# Altium PCB RF-BIG-DB5AT_v1.pcbdoc (part 2 of 7)
Units mm, origin at the board's own origin, x right, y up, seen from the top; angles counter-clockwise.
Board outline 281 x 128.57 mm, 2 copper layers (Top Layer, Bottom Layer), stack 1.671 mm thick; 500 components, 260 nets, 1552 pads, 9606 vias.
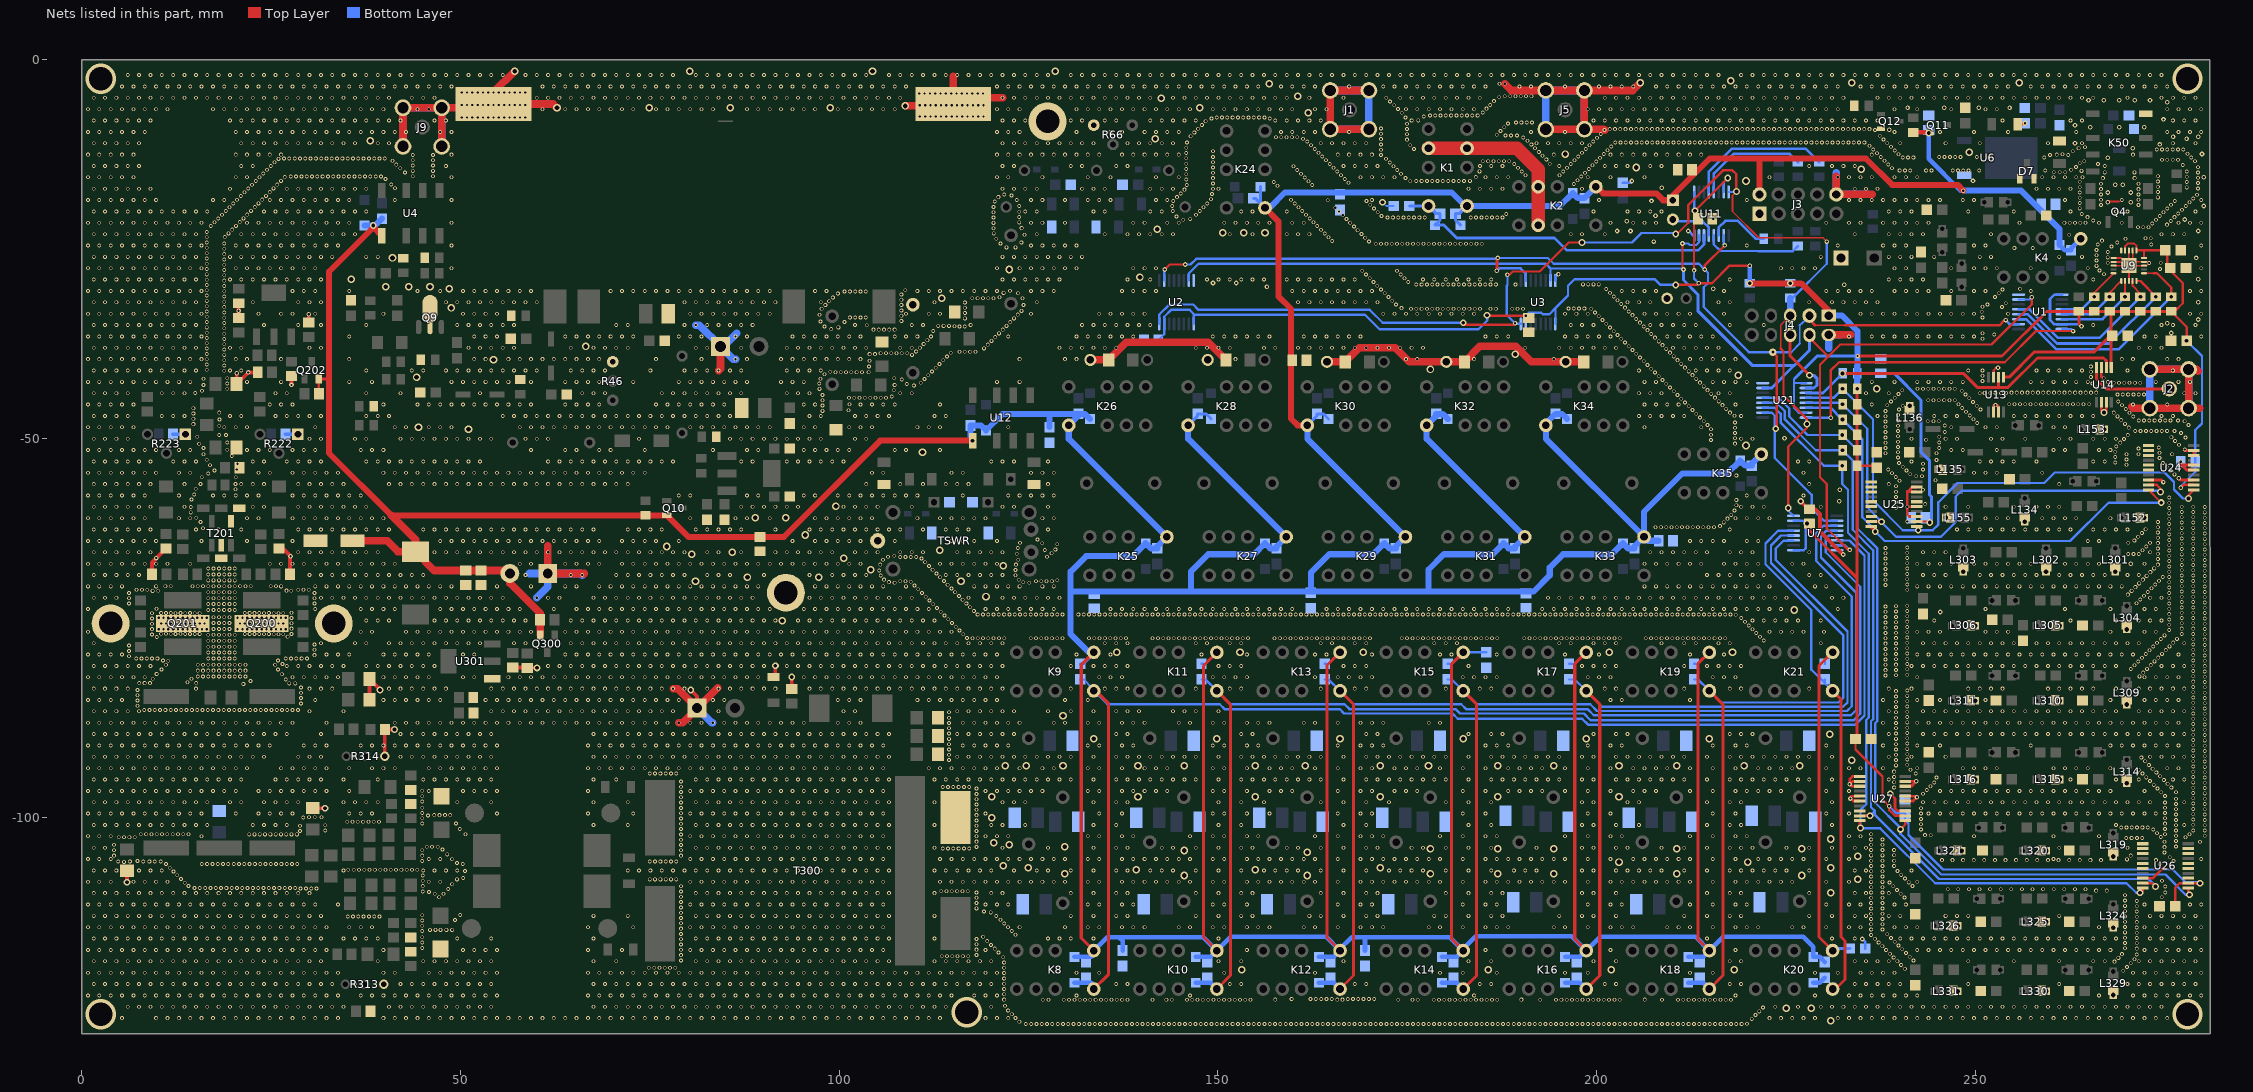
[diagram p2: the nets of this part, all layers, seen from the top]

## Via types
v1: diameter 0.5, hole 0.3, Top Layer to Bottom Layer, tented both sides, 9171 vias
v2: diameter 1, hole 0.61, Top Layer to Bottom Layer, 141 vias
v3: diameter 0.9, hole 0.5, Top Layer to Bottom Layer, 84 vias
v4: diameter 0.61, hole 0.305, Top Layer to Bottom Layer, 83 vias
v5: diameter 0.5, hole 0.3, Top Layer to Bottom Layer, tented bottom, 64 vias
v6: diameter 0.6, hole 0.3, Top Layer to Bottom Layer, 43 vias
v7: diameter 4, hole 3.1, Top Layer to Bottom Layer, 6 vias
v8: diameter 0.7, hole 0.3, Top Layer to Bottom Layer, 4 vias
v9: diameter 0.61, hole 0.306, Top Layer to Bottom Layer, 3 vias
v10: diameter 0.5, hole 0.305, Top Layer to Bottom Layer, 2 vias
v11: diameter 2, hole 1, Top Layer to Bottom Layer, 2 vias
v12: diameter 0.5, hole 0.3, Top Layer to Bottom Layer, 1 vias
v13: diameter 5, hole 3.1, Top Layer to Bottom Layer, 1 vias
v14: diameter 1, hole 0.4, Top Layer to Bottom Layer, 1 vias

## Nets (pads, with @x,y where several pads share a name; then routed paths per layer and width w, separated by ;. In a path a pad name is that pad's centre, name@x,y a point inside that pad or via, vN(x,y) a via of type N, cw(c..) or ccw(c..) an arc to the next point about the centre after c; other vN are vias at no path point)
+3V3: C21.2 C26.2 C31.2 C36.2 C38.2 C42.2 C47.2 C48.2 C131.1 C132.1 C241.1 C301.1 C302.1 C303.1 C304.1 J4.1 R13.1 R31.1 R33.1 R35.1 R57.1 R69.1 R70.1 R71.1 R72.1 R201.1 R202.1 R203.1 R204.1 R205.1 R206.1 R207.1 U1.1 U1.7 U2.1 U2.7 U3.1 U3.7 U7.1 U7.7 U9.5 U9.6 U9.9 U11.1 U11.7 U13.1 U14.1 U21.1 U21.7 U24.2 U25.2 U26.2 U27.2 | length 441.3
  Top Layer w0.25: U9.9@269.756,-25.178 269.756,-24.59 270.089,-24.257 270.966,-24.257 271.271,-24.562 271.271,-25.144 U9.6@271.298,-25.171 ; U9.5@272.256,-26.178 272.256,-25.305 272.415,-25.146
  Top Layer w0.305: v3(185.537,-33.74) 185.579,-33.782 v6(190.652,-33.782) ; v3(210.439,-29.718) 213.283,-29.718 v6(213.487,-29.514) 215.215,-29.514 217.551,-27.178 v4(220.218,-27.178) ; v6(212.852,-27.813) 212.852,-20.066 v3(212.979,-19.939) v3(217.297,-15.621) ; C304.1@234.174,-89.916 234.174,-91.045 237.744,-94.615 237.744,-97.663 v6(238.633,-98.552) 238.633,-99.06 239.385,-99.812 U27.2@240.745,-99.811 ; R205.1@234.392,-53.594 236.714,-53.594 C302.1@236.982,-53.862 ; U25.2@242.269,-60.949 243.822,-60.949 v3(243.96,-61.087) ; U9.6@271.298,-25.171 271.298,-25.146 272.415,-25.146 C131.1@275.068,-25.146 ; C131.1@275.068,-25.146 275.339,-25.146 275.339,-27.438 277.368,-29.467 277.368,-32.131 276.275,-33.224 R72.1@275.844,-33.224 277.89,-35.27 C301.1@277.89,-37.084 ; C303.1@276.366,-111.76 276.366,-109.322 276.987,-108.701 U26.2@278.083,-108.701 279.643,-108.701 v3(279.654,-108.712) ; v6(277.114,-56.515) 277.506,-56.123 U24.2@278.845,-56.123
  Top Layer w0.4: v3(227.762,-61.214) 227.762,-61.822 234.392,-68.453 ; C304.1@234.174,-89.916 234.392,-89.698 234.392,-68.453 ; v3(234.392,-43.434) R204.1@234.392,-45.466 R203.1@234.392,-47.498 R206.1@234.392,-49.53 R207.1@234.392,-51.562 R205.1@234.392,-53.594 234.392,-68.453 ; v4(234.442,-39.116) 253.521,-39.116 259.413,-33.224 R57.1@263.652,-33.224 ; U13.1@253.705,-41.896 254.453,-41.896 257.741,-38.608 265.641,-38.608 C241.1@267.929,-36.32 ; v6(264.007,-35.179) 263.652,-34.824 R57.1@263.652,-33.224 ; U14.1@267.929,-40.626 267.929,-33.437 R70.1@267.716,-33.224 ; R72.1@275.844,-33.224 R31.1@273.812,-33.224 R33.1@271.78,-33.224 R69.1@269.748,-33.224 R70.1@267.716,-33.224 ; R57.1@263.652,-33.224 R71.1@265.684,-33.224 R70.1@267.716,-33.224
  Top Layer w0.8: v3(220.218,-29.514) v3(225.552,-29.514) 226.999,-29.514 230.632,-33.147 J4.1@230.632,-33.782
  Bottom Layer w0.305: C21.2@142.12,-37.02 142.901,-36.239 U2.7@142.901,-34.87 142.901,-33.924 143.805,-33.02 146.264,-33.02 146.802,-33.558 ; U2.1@146.801,-34.87 146.802,-33.558 ; v3(185.537,-33.74) 185.537,-34.394 185.547,-34.404 184.359,-35.592 171.355,-35.592 169.418,-33.655 146.899,-33.655 146.802,-33.558 ; v6(190.652,-33.782) 191.033,-33.401 192.671,-33.401 192.869,-33.599 193.753,-33.599 194.564,-32.788 ; U3.1@194.553,-34.87 194.564,-33.528 194.564,-32.788 ; v3(210.439,-29.718) 208.407,-29.718 207.645,-28.956 197.104,-28.956 196.215,-29.845 196.215,-31.137 194.564,-32.788 ; v6(212.852,-27.813) 212.852,-28.879 v6(213.487,-29.514) ; U11.1@212.863,-17.454 212.863,-19.823 v3(212.979,-19.939) ; U11.7@216.763,-17.454 216.763,-16.155 v3(217.297,-15.621) ; U7.1@225.988,-64.759 227.34,-64.76 227.584,-64.516 v3@227.584,-61.214 ; U7.7@225.988,-60.859 227.202,-60.858 227.558,-61.214 v3@227.584,-61.214 ; 226.187,-42.037 226.06,-42.164 226.06,-42.683 ; U21.7@227.656,-46.583 226.695,-46.584 226.06,-45.949 226.06,-42.683 ; U21.1@227.656,-42.683 226.06,-42.683 ; v3(227.762,-61.214) v3@227.584,-61.214 ; v6(238.633,-98.552) 239.574,-99.493 240.695,-99.493 C38.2@240.736,-99.534 ; C38.2@240.695,-99.575 240.695,-100.36 241.173,-100.838 241.173,-102.362 245.707,-106.896 276.06,-106.896 277.749,-108.585 279.527,-108.585 v3(279.654,-108.712) ; v6(277.114,-56.515) 277.114,-56.307 279.019,-54.402 279.019,-48.895 279.908,-48.006 279.908,-39.116 v3(277.876,-37.084)
  Bottom Layer w0.35: U1.1@261.438,-30.999 260.451,-30.999 259.842,-31.608 259.842,-34.36 260.381,-34.899 U1.7@261.438,-34.899 263.727,-34.899 v6(264.007,-35.179)
  Bottom Layer w0.4: 226.187,-42.037 229.108,-39.116 v4@234.414,-39.116 ; R201.1@234.392,-41.402 234.403,-41.402 239.268,-41.402 242.824,-44.958 242.824,-51.816 243.96,-52.952 243.96,-57.464 244.221,-57.725 244.221,-60.826 v3(243.96,-61.087)
  Bottom Layer w0.61: v3(220.218,-29.514) v4(220.218,-27.178)
  Bottom Layer w0.8: J4.1@230.632,-33.782 232.4,-33.782 234.432,-35.814 234.414,-39.116 234.403,-41.402 v3(234.392,-43.434)
+12: C1.1 C7.1 C8.1 C9.1 C10.1 C11.1 C16.1 C49.2 C50.2 C51.2 C52.2 C53.2 C54.2 C55.2 C56.2 C107.1 C108.2 C109.2 C110.2 C123.2 C124.1 C141.1 C142.2 C143.1 C144.2 C145.1 C146.2 C147.1 C148.2 C149.1 C150.2 C151.1 C152.2 C153.1 C154.2 C157.2 C158.2 C159.2 C160.2 C161.2 C162.2 C163.2 C164.2 C165.2 C166.2 C167.2 C221.2 C223.2 C224.1 D4.1 D5.1 D8.1 D9.1 D13.1 D15.1 D17.1 D20.1 D22.1 D25.1 D27.1 D31.1 D32.1 D38.1 D39.1 D40.1 D41.1 D42.1 D43.1 D44.1 D45.1 D46.1 D47.1 D48.1 H1.1 J3.2 K1.1 K2.1 K4.1 K8.1 K9.1 K10.1 K11.1 K12.1 K13.1 K14.1 K15.1 K16.1 K17.1 K18.1 K19.1 K20.1 K21.1 K24.1 K25.1 K26.1 K27.1 K28.1 K29.1 K30.1 K31.1 K32.1 K33.1 K34.1 K35.1 L201.2 P200.2 Q10.2 Q11.2 Q202.2 Q300.2 R45.1 R48.2 R215.2 R308.2 U4.1 U12.1 | length 1116.8
  Top Layer w0.3: K9.1@133.731,-78.359 K9.1@133.858,-78.232 ; K10.1@149.352,-117.602 K10.1@149.86,-117.602
  Top Layer w0.35: R215.2@31.303,-44.069 Q202.2@31.303,-42.121
  Top Layer w0.4: Q202.2@31.303,-42.121 32.469,-42.121 32.639,-42.291 ; K8.1@133.604,-117.602 131.953,-115.951 131.953,-79.883 K9.1@133.604,-78.232 ; K10.1@149.86,-117.602 148.082,-115.824 148.082,-80.01 K11.1@149.86,-78.232 ; K12.1@166.116,-117.602 164.398,-115.884 164.398,-79.95 K13.1@166.116,-78.232 ; K14.1@182.372,-117.602 180.848,-116.078 180.848,-79.756 K15.1@182.372,-78.232 ; K16.1@198.628,-117.602 197.104,-116.078 197.104,-79.756 K17.1@198.628,-78.232 ; K18.1@214.884,-117.602 213.36,-116.078 213.36,-79.756 K19.1@214.884,-78.232 ; K20.1@231.14,-117.602 229.362,-115.824 229.362,-80.01 K21.1@231.14,-78.232
  Top Layer w0.61: R48.2@241.808,-9.602 Q11.2@243.84,-9.586
  Top Layer w0.8: v3@38.461,-22.147 32.639,-27.969 32.639,-42.291 32.639,-51.943 40.836,-60.14 75.827,-60.14 Q10.2@77.232,-60.132 80.091,-62.992 92.71,-62.992 105.41,-50.292 v3(117.602,-50.292) ; v3(38.481,-21.893) v3@38.598,-22.01 ; v3@38.53,-22.147 U4.1@39.624,-23.241 ; K24.1@156.21,-19.558 157.988,-21.336 157.988,-31.242 159.639,-32.893 159.639,-40.165 159.64,-40.166 159.64,-41.086 159.639,-41.087 159.639,-47.371 160.528,-48.26 K30.1@161.798,-48.26 ; K2.1@199.898,-16.764 199.939,-16.723 200.853,-17.637 207.874,-17.637 208.778,-18.542 H1.1@210.058,-18.542 210.058,-17.919 214.939,-13.038 221.488,-13.038 ; J3.2@221.488,-17.78 221.488,-13.038 ; v9(248.412,-17.272) 247.665,-16.525 239.012,-16.525 235.525,-13.038 221.488,-13.038
  Top Layer w1: C224.1@35.763,-63.5 40.312,-63.5 41.75,-64.938 L201.2@44.069,-64.938 ; 40.836,-60.14 44.069,-63.373 L201.2@44.069,-64.938 ; Q300.2@60.518,-75.989 R308.2@60.518,-73.914 60.518,-73.077 56.515,-69.074 P200.2@56.515,-67.818 56.127,-67.43 C221.2@50.706,-67.43 46.561,-67.43 L201.2@44.069,-64.938
  Bottom Layer w0.3: C142.2@131.826,-79.742 132.348,-79.742 133.731,-78.359 K9.1@133.858,-78.232 ; C144.2@147.828,-79.742 148.35,-79.742 K11.1@149.86,-78.232 ; C146.2@164.084,-79.742 164.606,-79.742 K13.1@166.116,-78.232 ; C148.2@180.34,-79.742 180.862,-79.742 K15.1@182.372,-78.232 ; C150.2@196.342,-79.742 197.118,-79.742 K17.1@198.628,-78.232 ; C152.2@212.852,-79.742 213.374,-79.742 K19.1@214.884,-78.232 ; C154.2@230.124,-79.742 230.124,-79.248 K21.1@231.14,-78.232
  Bottom Layer w0.305: 137.414,-116.332 137.414,-115.824 ; K15.1@182.372,-78.232 C9.1@185.42,-78.219
  Bottom Layer w0.4: K28.1@146.05,-48.26 147.32,-46.99 147.32,-46.75 148.428,-46.75 D41.1@149.098,-47.42 ; C124.1@154.7,-18.288 154.94,-18.288 K24.1@156.21,-19.558 155.624,-18.972 D32.1@155.624,-16.764 ; K30.1@161.798,-48.26 163.068,-46.99 163.068,-46.75 163.922,-46.75 D43.1@164.592,-47.42 ; D5.1@182.04,-21.844 181.37,-21.174 C107.1@181.37,-20.32 181.864,-20.32 K1.1@182.88,-19.304 ; K20.1@231.14,-117.602 231.394,-117.348 C1.1@233.412,-117.348
  Bottom Layer w0.61: D13.1@131.064,-118.442 133.272,-118.442 133.858,-117.856 134.112,-117.602 134.112,-117.094 135.382,-115.824 136.906,-115.824 ; C7.1@137.414,-117.588 137.414,-116.332 136.906,-115.824 ; D15.1@147.066,-118.442 149.02,-118.442 K10.1@149.86,-117.602 ; D17.1@163.322,-118.442 165.276,-118.442 K12.1@166.116,-117.602 ; C8.1@169.418,-117.588 169.418,-115.824 ; D20.1@179.578,-118.442 181.532,-118.442 K14.1@182.372,-117.602 ; D22.1@195.834,-118.442 197.788,-118.442 K16.1@198.628,-117.602 ; D25.1@212.09,-118.442 214.044,-118.442 K18.1@214.884,-117.602 ; D27.1@228.6,-118.442 228.6,-117.094 227.288,-115.782 216.704,-115.782 K18.1@214.884,-117.602 ; D27.1@228.6,-118.442 229.454,-118.442 C153.1@230.124,-119.112 ; v3(243.84,-9.652) 243.84,-13.081 248.031,-17.272 v9(248.412,-17.272) ; D9.1@261.112,-24.462 261.782,-25.132 C123.2@262.636,-25.132 262.636,-24.892 K4.1@263.906,-23.622 ; 136.906,-115.824 137.414,-115.824 148.082,-115.824 K10.1@149.86,-117.602 ; K10.1@149.86,-117.602 151.68,-115.782 164.296,-115.782 K12.1@166.116,-117.602 ; K12.1@166.116,-117.602 166.116,-117.348 167.64,-115.824 169.418,-115.824 ; 169.418,-115.824 180.594,-115.824 K14.1@182.372,-117.602 ; K14.1@182.372,-117.602 182.372,-117.348 184.023,-115.697 196.723,-115.697 K16.1@198.628,-117.602 ; K16.1@198.628,-117.602 200.448,-115.782 213.064,-115.782 K18.1@214.884,-117.602
  Bottom Layer w0.8: D4.1@37.338,-21.893 v3(38.481,-21.893) 38.7,-21.893 C108.2@39.624,-20.969 ; v3(117.602,-50.292) 117.348,-50.038 C109.2@117.348,-48.274 118.71,-48.274 D31.1@119.38,-48.944 121.574,-46.75 C158.2@131.572,-46.75 ; C11.1@127.762,-48.5 127.762,-46.803 127.815,-46.75 ; 130.556,-70.22 191.654,-70.22 193.802,-68.072 193.802,-67.056 195.58,-65.278 202.008,-65.278 D46.1@203.454,-63.832 204.124,-64.502 C165.2@204.978,-64.502 204.978,-64.262 K33.1@206.248,-62.992 ; D39.1@133.096,-47.42 132.426,-46.75 C158.2@131.572,-46.75 ; K9.1@133.604,-78.232 132.969,-78.232 130.556,-75.819 130.556,-67.564 132.588,-65.532 138.763,-65.532 D38.1@140.462,-63.832 ; D38.1@140.462,-63.832 141.132,-64.502 C157.2@141.986,-64.502 141.986,-64.262 K25.1@143.256,-62.992 130.302,-50.038 K26.1@130.302,-48.26 131.572,-46.99 C158.2@131.572,-46.75 ; K28.1@146.05,-48.26 146.05,-50.038 K27.1@159.004,-62.992 157.734,-64.262 C159.2@157.734,-64.502 156.88,-64.502 D40.1@156.21,-63.832 154.764,-65.278 148.717,-65.278 146.431,-67.564 146.431,-70.22 ; K24.1@156.21,-19.558 156.814,-19.558 158.846,-17.526 180.848,-17.526 182.88,-19.558 K1.1@182.88,-19.304 195.15,-19.304 D8.1@196.85,-17.604 197.52,-18.274 C110.2@198.374,-18.274 ; K30.1@161.798,-48.26 161.798,-50.038 K29.1@174.752,-62.992 173.482,-64.262 C161.2@173.482,-64.502 172.628,-64.502 D42.1@171.958,-63.832 170.512,-65.278 164.712,-65.278 162.306,-67.684 162.306,-69.85 C10.1@162.56,-70.104 ; 177.8,-70.104 177.8,-67.31 179.832,-65.278 186.26,-65.278 D44.1@187.706,-63.832 188.376,-64.502 C163.2@189.23,-64.502 189.23,-64.262 K31.1@190.5,-62.992 177.546,-50.038 K32.1@177.546,-48.26 178.816,-46.99 178.816,-46.75 179.67,-46.75 D45.1@180.34,-47.42 ; D47.1@196.088,-47.42 195.418,-46.75 194.564,-46.75 193.294,-48.02 K34.1@193.294,-48.26 193.294,-50.038 K33.1@206.248,-62.992 ; C110.2@198.375,-18.275 K2.1@199.898,-16.764 ; C52.2@208.187,-63.5 206.756,-63.5 K33.1@206.248,-62.992 ; D48.1@218.948,-52.91 217.249,-54.61 211.328,-54.61 206.248,-59.69 K33.1@206.248,-62.992 ; D48.1@218.948,-52.91 219.618,-53.58 C167.2@220.472,-53.58 220.472,-53.34 K35.1@221.742,-52.07 ; v9(248.412,-17.272) 256.032,-17.272 261.112,-22.352 D9.1@261.112,-24.462
ADC: J2.5 U14.4 | length 11.7
  Top Layer w0.4: U14.4@265.979,-40.626 265.979,-42.133 267.28,-43.434 J2.5@275.59,-43.434
"ANT1-2 OUT": C107.2 C171.2 D5.2 K1.12 U11.14 | length 44.7
  Bottom Layer w0.35: 194.416,-23.529 196.054,-25.167 213.369,-25.167 214.163,-24.373 U11.14@214.163,-23.186
  Bottom Layer w0.4: C171.2@175.274,-19.304 K1.12@177.8,-19.304 178.816,-20.32 C107.2@179.31,-20.32 179.31,-21.174 D5.2@178.64,-21.844 ; D5.2@178.64,-21.844 179.832,-21.844 181.517,-23.529 194.416,-23.529
"ANT OUT": K1.4 K1.9 K2.4 K2.9 | length 23
  Top Layer w1.8: K1.9@177.8,-11.684 K1.4@182.88,-11.684 189.484,-11.684 192.278,-14.478 K2.4@192.278,-16.764 K2.9@192.278,-21.844
"ATT ON 0.5": R31.2 U1.12 U9.20 | length 25.7
  Top Layer w0.305: U9.20@271.272,-29.21 271.78,-29.21 273.812,-31.242 v3(273.812,-31.292)
  Bottom Layer w0.35: U1.12@255.706,-33.599 256.93,-33.599 260.795,-37.465 267.639,-37.465 v3(273.812,-31.292)
"ATT ON 1": R33.2 U1.13 U9.19 | length 22.4
  Top Layer w0.25: U9.19@270.764,-29.185 270.764,-29.845 271.78,-30.861 v3(271.78,-31.292)
  Bottom Layer w0.35: U1.13@255.706,-32.949 257.133,-32.949 260.887,-36.703 266.369,-36.703 v3(271.78,-31.292)
"ATT ON 2": R69.2 U1.6 U9.17 | length 11.6
  Top Layer w0.25: R69.2@269.759,-31.292 U9.17@269.759,-29.185
  Bottom Layer w0.35: U1.6@261.438,-34.249 266.791,-34.249 v3(269.748,-31.292)
"ATT ON 4": R70.2 U1.5 U9.16 | length 10
  Top Layer w0.25: R70.2@267.716,-30.734 U9.16@269.265,-29.185
  Top Layer w0.305: v3(267.716,-31.292) R70.2@267.716,-30.734
  Bottom Layer w0.35: U1.5@261.438,-33.599 265.409,-33.599 v3(267.716,-31.292)
"ATT ON 8": R71.2 U1.4 U9.15 | length 9.1
  Top Layer w0.25: R71.2@265.684,-30.734 U9.15@268.249,-28.169
  Top Layer w0.305: v3(265.684,-31.292) R71.2@265.684,-30.734
  Bottom Layer w0.35: U1.4@261.438,-32.949 264.027,-32.949 v3(265.684,-31.292)
"ATT ON 16": R72.2 U1.11 U9.1 | length 30.3
  Top Layer w0.25: U9.1@272.256,-28.178 273.549,-28.178 273.558,-28.169
  Top Layer w0.305: 273.558,-28.169 273.939,-28.169 275.844,-30.074 v3(275.844,-31.292)
  Bottom Layer w0.35: U1.11@255.706,-34.249 256.705,-34.249 260.683,-38.227 268.909,-38.227 v3(275.844,-31.292)
"BAND OUT 0": R11.2 U11.4 | length 19.2
  Bottom Layer w0.35: U11.4@214.813,-17.454 214.813,-14.777 217.861,-11.729 227.58,-11.729 R11.2@229.362,-13.512
"BAND OUT 1": R3.1 U11.11 | length 8.3
  Bottom Layer w0.35: U11.11@216.113,-23.186 216.113,-22.139 216.981,-21.271 218.642,-21.271 220.993,-23.622 R3.1@222.046,-23.622
"BAND OUT 2": R9.2 U11.5 | length 15.1
  Bottom Layer w0.35: U11.5@215.463,-17.454 215.463,-15.021 218.074,-12.41 225.466,-12.41 R9.2@226.568,-13.512
"BAND OUT 3": R8.1 U11.12 | length 13
  Bottom Layer w0.305: U11.12@215.463,-23.186 215.463,-24.378 216.338,-25.253 221.287,-25.253 221.307,-25.273 225.883,-25.273 R8.1@226.568,-24.588
"BPF 1": C153.2 C154.1 D27.2 K20.12 K21.12 U7.5 | length 70.8
  Top Layer w0.4: K20.12@231.14,-122.682 231.521,-122.682 232.791,-121.412 232.791,-116.332 232.283,-115.824 232.283,-110.871 232.283,-84.455 K21.12@231.14,-83.312
  Bottom Layer w0.3: C154.1@230.124,-81.802 230.124,-82.296 K21.12@231.14,-83.312
  Bottom Layer w0.305: U7.5@225.988,-62.159 223.972,-62.159 222.286,-63.845 222.286,-66.603 228.346,-72.663 228.346,-80.518 C154.1@230.124,-82.296
  Bottom Layer w0.61: D27.2@228.6,-121.842 229.454,-121.842 C153.2@230.124,-121.172
"BPF 1 A0": R203.2 U21.6 U24.20 U25.20 | length 65.7
  Top Layer w0.305: U25.20@236.267,-61.599 236.267,-61.769 v3(236.785,-62.287) ; U24.20@272.843,-56.773 v3(274.54,-58.47)
  Bottom Layer w0.305: v3(232.46,-47.498) 235.077,-50.115 235.077,-60.409 235.867,-61.199 235.867,-61.201 236.222,-61.557 236.224,-61.557 236.267,-61.599 ; 236.266,-61.6 236.785,-62.119 v3(236.785,-62.287) 238.036,-63.538 262.497,-63.538 267.565,-58.47 v3(274.54,-58.47)
  Bottom Layer w0.35: U21.6@227.656,-45.933 230.845,-45.933 v3@232.41,-47.498
  Bottom Layer w0.4: v3@232.41,-47.498 v3(232.46,-47.498)
"BPF 1 A1": R204.2 U21.5 U24.19 U25.19 | length 68.6
  Top Layer w0.305: U25.19@236.272,-60.949 237.58,-60.949 v3(237.617,-60.986) ; U24.19@272.848,-56.123 273.95,-56.123 274.447,-56.62 v3(274.447,-57.049)
  Bottom Layer w0.305: v3(232.46,-45.466) 235.712,-48.718 235.712,-59.081 v3(237.617,-60.986) ; v3@237.568,-61.035 239.506,-62.973 245.44,-62.973 247.396,-61.016 247.396,-57.658 248.158,-56.896 274.32,-56.896 274.447,-56.769 v3(274.447,-57.049)
  Bottom Layer w0.35: U21.5@227.656,-45.283 232.277,-45.283 v3(232.46,-45.466)
"BPF 1 EN": R202.2 U21.4 U24.1 U25.1 | length 73.3
  Top Layer w0.305: v3(278.13,-57.926) 278.13,-57.488 U24.1@278.845,-56.773
  Bottom Layer w0.305: v3(232.46,-43.434) 236.474,-47.447 236.474,-58.166 240.411,-62.103 v3(242.443,-62.103) 244.348,-62.103 245.11,-61.341 245.11,-58.42 247.65,-55.88 259.08,-55.88 260.477,-54.483 274.955,-54.483 276.207,-55.735 276.207,-56.743 277.39,-57.926 v3(278.13,-57.926)
  Bottom Layer w0.35: U21.4@227.656,-44.633 231.261,-44.633 v3(232.46,-43.434)
"BPF 2": C151.2 C152.1 D25.2 K18.12 K19.12 U7.4 | length 92.8
  Top Layer w0.4: K18.12@214.884,-122.682 216.662,-120.904 216.662,-85.09 K19.12@214.884,-83.312
  Bottom Layer w0.3: C152.1@212.852,-81.802 213.374,-81.802 K19.12@214.884,-83.312
  Bottom Layer w0.305: K19.12@214.884,-83.312 216.436,-84.864 221.623,-84.864 221.632,-84.856 222.868,-84.856 222.877,-84.864 224.163,-84.864 224.172,-84.856 225.408,-84.856 225.417,-84.864 231.923,-84.864 232.537,-84.251 232.537,-75.946 223.012,-66.421 223.012,-64.135 224.338,-62.809 U7.4@225.988,-62.809
  Bottom Layer w0.61: D25.2@212.09,-121.842 214.044,-121.842 K18.12@214.884,-122.682
"BPF 2 A0": R205.2 U21.11 U26.20 U27.20 | length 106.3
  Top Layer w0.305: U27.20@234.743,-100.461 234.743,-101.33 v3(234.823,-101.41) ; v3(271.73,-109.982) 272.081,-109.631 U26.20@272.081,-109.351
  Bottom Layer w0.305: U21.11@221.924,-45.933 223.476,-45.933 224.282,-46.739 224.282,-47.879 229.997,-53.594 v3(232.41,-53.594) 232.41,-56.007 233.172,-56.769 233.172,-62.447 235.927,-65.202 235.927,-86.817 235.585,-87.159 235.585,-98.298 234.823,-99.06 v3(234.823,-101.41) 234.886,-101.473 237.451,-101.473 244.693,-108.715 269.953,-108.715 271.219,-109.982 v3(271.73,-109.982)
"BPF 2 A1": R207.2 U21.12 U26.19 U27.19 | length 109
  Top Layer w0.305: U27.19@234.748,-99.811 v3(236.093,-99.812) v3(236.093,-99.812) ; U26.19@272.086,-108.701 273.3,-108.701 v3(273.759,-109.16)
  Bottom Layer w0.305: U21.12@221.924,-45.283 223.718,-45.283 224.847,-46.412 224.847,-47.495 228.914,-51.562 v3(232.46,-51.562) 233.807,-52.908 233.807,-62.059 236.492,-64.744 236.492,-87.051 236.22,-87.323 236.22,-98.669 236.728,-99.177 ; v3(236.093,-99.812) 236.728,-99.177 ; v3(273.759,-109.16) 273.759,-109.04 272.869,-108.15 245.183,-108.15 236.728,-99.695 236.728,-99.177
"BPF 2 EN": R206.2 U21.13 U26.1 U27.1 | length 113.1
  Top Layer w0.305: v3(240.094,-101.6) 240.745,-100.949 U27.1@240.745,-100.461 ; U26.1@278.083,-109.351 278.083,-110.062 v3(278.257,-110.236)
  Bottom Layer w0.305: U21.13@221.924,-44.633 224.006,-44.633 225.425,-46.052 225.425,-47.107 227.848,-49.53 v3(232.41,-49.53) 234.391,-51.511 234.391,-61.844 237.057,-64.51 237.057,-87.285 236.785,-87.557 236.785,-98.101 240.094,-101.41 v3(240.094,-101.6) 240.094,-102.172 245.491,-107.569 275.082,-107.569 277.749,-110.236 v3(278.257,-110.236)
"BPF 3": C149.2 C150.1 D22.2 K16.12 K17.12 U7.3 | length 109.5
  Top Layer w0.4: K16.12@198.628,-122.682 200.406,-120.904 200.406,-85.09 K17.12@198.628,-83.312
  Bottom Layer w0.3: C150.1@196.342,-81.802 197.118,-81.802 K17.12@198.628,-83.312
  Bottom Layer w0.305: K17.12@198.628,-83.312 200.736,-85.42 221.853,-85.42 221.861,-85.411 222.639,-85.411 222.647,-85.42 224.393,-85.42 224.401,-85.411 225.179,-85.411 225.187,-85.42 232.524,-85.42 233.102,-84.842 233.102,-75.495 223.647,-66.04 223.647,-64.516 224.663,-63.5 225.948,-63.5 U7.3@225.988,-63.459
  Bottom Layer w0.61: D22.2@195.834,-121.842 197.788,-121.842 K16.12@198.628,-122.682
"BPF 4": C147.2 C148.1 D20.2 K14.12 K15.12 U7.11 | length 127.3
  Top Layer w0.4: K14.12@182.372,-122.682 184.15,-120.904 184.15,-85.09 K15.12@182.372,-83.312
  Bottom Layer w0.3: C148.1@180.34,-81.802 180.862,-81.802 K15.12@182.372,-83.312
  Bottom Layer w0.305: K15.12@182.372,-83.312 184.15,-85.09 199.161,-85.09 200.046,-85.975 233.05,-85.975 233.667,-85.358 233.667,-70.853 228.981,-66.167 228.981,-62.484 229.956,-61.509 U7.11@231.72,-61.509
  Bottom Layer w0.61: D20.2@179.578,-121.842 181.532,-121.842 K14.12@182.372,-122.682
"BPF 5": C145.2 C146.1 D17.2 K12.12 K13.12 U7.12 | length 143.7
  Top Layer w0.4: K12.12@166.116,-122.682 167.894,-120.904 167.894,-85.09 K13.12@166.116,-83.312
  Bottom Layer w0.3: C146.1@164.084,-81.802 164.606,-81.802 K13.12@166.116,-83.312
  Bottom Layer w0.305: K13.12@166.116,-83.312 167.894,-85.09 182.129,-85.09 182.764,-85.725 198.795,-85.725 199.601,-86.531 233.58,-86.531 234.232,-85.879 234.232,-70.327 229.616,-65.711 229.616,-62.89 230.348,-62.159 U7.12@231.72,-62.159
  Bottom Layer w0.61: D17.2@163.322,-121.842 165.276,-121.842 K12.12@166.116,-122.682
"BPF 6": C143.2 C144.1 D15.2 K10.12 K11.12 U7.13 | length 160.2
  Top Layer w0.4: K10.12@149.86,-122.682 151.638,-120.904 151.638,-85.09 K11.12@149.86,-83.312
  Bottom Layer w0.3: C144.1@147.828,-81.802 148.35,-81.802 K11.12@149.86,-83.312
  Bottom Layer w0.305: K11.12@149.86,-83.312 151.638,-85.09 166.718,-85.09 167.353,-85.725 181.367,-85.725 181.941,-86.299 198.313,-86.299 199.229,-87.215 233.904,-87.215 234.797,-86.322 234.797,-69.57 230.251,-65.024 230.251,-63.246 230.688,-62.809 U7.13@231.72,-62.809
  Bottom Layer w0.61: D15.2@147.066,-121.842 149.02,-121.842 K10.12@149.86,-122.682
"BPF 7": C141.2 C142.1 D13.2 K8.12 K9.12 U7.14 | length 176.5
  Top Layer w0.4: K8.12@133.604,-122.682 135.567,-120.719 135.567,-85.021 K9.12@133.858,-83.312
  Bottom Layer w0.3: C142.1@131.826,-81.802 132.348,-81.802 K9.12@133.604,-83.312
  Bottom Layer w0.305: K9.12@133.604,-83.312 133.79,-83.493 135.387,-85.09 150.24,-85.09 150.875,-85.725 166.083,-85.725 166.657,-86.299 180.957,-86.299 181.653,-86.995 198.075,-86.995 198.85,-87.77 234.175,-87.77 235.362,-86.583 235.362,-65.436 233.385,-63.459 U7.14@231.72,-63.459
  Bottom Layer w0.61: D13.2@131.064,-121.842 133.272,-121.842 133.858,-122.428 K8.12@134.112,-122.682
"BPF ON": R201.2 U13.2 U14.2 U21.3 | length 45.5
  Top Layer w0.4: v3(232.46,-41.402) 248.412,-41.402 250.261,-43.251 254.31,-43.251 258.191,-39.37 266.898,-39.37 267.279,-39.751 U14.2@267.279,-40.626 ; 253.055,-43.251 U13.2@253.055,-41.897
  Bottom Layer w0.35: U21.3@227.656,-43.983 229.879,-43.983 v3(232.46,-41.402)
"CTRL CLK": J4.4 U1.15 U2.15 U3.15 U7.15 U11.15 U21.15 | length 174
  Top Layer w0.305: v6(211.328,-24.257) 211.328,-27.559 v4(211.455,-27.686) ; J4.4@228.092,-36.322 228.092,-36.703 230.569,-39.179 ; v6(233.399,-64.717) 233.399,-64.842 233.385,-64.856 230.378,-61.849 230.378,-56.007 229.489,-55.118 229.489,-40.259 230.569,-39.179 ; v6(257.429,-31.369) 257.429,-32.299 252.136,-37.592 232.156,-37.592 230.569,-39.179
  Bottom Layer w0.305: U2.15@146.151,-29.138 146.151,-28.22 147.447,-26.924 193.291,-26.924 193.918,-27.551 211.455,-27.551 v4(211.455,-27.686) ; U3.15@193.903,-29.138 193.904,-27.537 ; v6(211.328,-24.257) 212.09,-24.257 212.295,-24.462 213.155,-24.462 213.513,-24.104 U11.15@213.513,-23.186 ; J4.4@228.092,-36.576 J4.4@228.092,-36.322 ; U7.15@231.72,-64.109 232.791,-64.109 v6(233.399,-64.717) ; U1.15@255.706,-31.649 257.149,-31.649 v6(257.429,-31.369)
  Bottom Layer w0.35: U21.15@221.924,-43.333 223.113,-43.333 226.06,-40.386
  Bottom Layer w0.4: v4(211.455,-27.686) 211.455,-29.083 213.36,-30.988 213.36,-33.147 220.599,-40.386 226.06,-40.386 228.092,-38.354 J4.4@228.092,-36.576
"CTRL DATA": J4.6 U21.2 | length 10
  Top Layer w0.4: J4.6@225.552,-36.322 225.552,-39.116 v3(228.092,-41.656)
  Bottom Layer w0.4: U21.2@227.656,-43.333 228.701,-43.333 229.108,-42.926 229.108,-42.104 228.66,-41.656 v3(228.092,-41.656)
"CTRL OE": J4.5 R35.2 U1.8 U2.8 U3.8 U7.8 U11.8 U21.8 | length 203.1
  Top Layer w0.21: v3(218.44,-17.399) 217.932,-17.907 217.932,-20.017 221.41,-23.495 229.87,-23.495 v4(230.378,-24.003) ; 224.282,-38.1 224.282,-35.052 J4.5@225.552,-33.782
  Top Layer w0.305: v3@182.372,-34.966 189.062,-34.966 v6(189.23,-34.798) ; v4(188.214,-28.37) 188.477,-28.37 188.907,-27.94 192.492,-27.94 196.302,-24.13 198.058,-24.13 v3(198.072,-24.116) ; v3@210.693,-22.91 212.09,-21.513 212.09,-19.177 216.662,-14.605 217.932,-14.605 218.44,-15.113 v3(218.44,-17.399) ; 224.282,-38.1 224.663,-38.481 224.663,-44.323 227.762,-47.422 v3(227.762,-48.103) 227.762,-48.59 225.298,-51.054 v3(225.298,-59.182) ; v4(230.886,-47.244) 230.886,-41.021 231.986,-39.921 253.874,-39.921 257.981,-35.814 v6(262.89,-35.814)
  Bottom Layer w0.21: U11.8@217.413,-17.454 218.385,-17.454 v3(218.44,-17.399)
  Bottom Layer w0.305: U2.8@142.251,-34.87 142.251,-33.644 143.596,-32.299 146.726,-32.299 147.447,-33.02 170.053,-33.02 171.763,-34.73 v3(182.372,-34.73) ; v4(188.214,-28.37) 188.214,-29.759 188.128,-29.845 188.128,-33.696 v6(189.23,-34.798) 189.302,-34.87 U3.8@190.003,-34.87 ; v3(198.072,-24.116) 204.668,-24.116 205.924,-22.86 210.312,-22.86 v3(210.439,-22.987) ; v3(225.298,-59.182) 225.171,-59.182 225.171,-59.392 U7.8@225.988,-60.209 ; R35.2@225.552,-31.446 225.849,-31.446 230.378,-26.917 v4(230.378,-24.003) ; U21.8@227.656,-47.233 227.656,-47.997 v3(227.762,-48.103) ; U21.8@227.667,-47.244 v4(230.886,-47.244) ; U1.8@261.438,-35.549 262.625,-35.549 v6(262.89,-35.814)
  Bottom Layer w0.8: J4.5@225.552,-33.782 R35.2@225.552,-31.446
"CTRL RCLK": J4.3 U1.10 U2.10 U3.10 U7.10 U11.10 U21.10 | length 170.8
  Top Layer w0.21: 228.854,-35.052 232.791,-35.052
  Top Layer w0.305: v6(142.967,-27.686) 143.621,-27.032 v4(145.688,-27.032) ; v4(214.249,-27.686) 214.249,-27.178 v6(216.916,-24.511) ; v14(223.266,-38.608) 223.774,-39.116 223.774,-48.591 v3(223.647,-48.718)
  Top Layer w0.35: J4.3@228.092,-33.782 228.092,-34.29 228.854,-35.052 ; 232.791,-35.052 253.17,-35.052 253.861,-34.36 v6(254.014,-34.36)
  Top Layer w0.4: v6(186.817,-27.862) 186.817,-26.289 186.872,-26.344 186.937,-26.279 v6(186.937,-26.162)
  Bottom Layer w0.21: 226.822,-37.465 226.822,-35.052
  Bottom Layer w0.305: U2.10@142.901,-29.138 142.901,-27.752 v6(142.967,-27.686) ; v4(145.688,-27.032) 146.377,-27.032 147.12,-26.289 186.81,-26.289 v6(186.937,-26.162) 193.548,-26.162 194.319,-26.933 213.496,-26.933 v4(214.249,-27.686) 214.686,-28.123 214.686,-29.464 214.122,-30.028 214.122,-32.639 220.091,-38.608 v14@223.012,-38.608 ; U11.10@216.763,-23.186 216.763,-24.358 v6(216.916,-24.511) ; U21.10@221.924,-46.583 223.113,-46.583 223.52,-46.99 223.52,-52.578 228.376,-57.434 228.376,-59.212 230.022,-60.858 U7.10@231.72,-60.859 ; v14(223.266,-38.608) 225.679,-38.608 226.822,-37.465 ; 226.822,-35.052 J4.3@227.965,-34.036
  Bottom Layer w0.35: v6(186.817,-27.862) 187.142,-27.537 189.953,-27.537 190.609,-28.193 190.609,-28.278 190.653,-28.321 U3.10@190.653,-29.138 ; v6(254.014,-34.36) 254.014,-34.431 254.482,-34.899 U1.10@255.706,-34.899
"FAN OUT": H1.2 U11.13 | length 6.2
  Bottom Layer w0.35: H1.2@210.058,-21.082 210.312,-21.336 213.995,-21.336 214.813,-22.154 U11.13@214.813,-23.186
GND: C1.2 C4.1 C5.1 C6.1 C7.2 C8.2 C9.2 C10.2 C11.2 C12.1 C13.1 C14.1 C15.1 C16.2 C17.1 C18.1 C19.1 C20.1 C21.1 C22.1 C23.1 C24.1 C25.1 C26.1 C27.1 C28.1 C29.1 C30.1 C31.1 C32.1 C33.1 C34.1 C35.1 C36.1 C37.1 C38.1 C39.1 C40.1 C41.1 C42.1 C43.1 C44.1 C45.1 C46.1 C47.1 C48.1 C49.1 C50.1 C51.1 C52.1 C53.1 C54.1 C55.1 C56.1 C68.1 C70.2 C72.1 C73.1 C74.2 C75.2 C76.1 C77.2 C78.1 C79.1 C82.1 C83.1 C84.2 C85.2 C86.2 C87.2 C88.2 C89.2 C90.1 C96.2 C97.2 C98.2 C99.2 C100.2 C113.2 C117.1 C121.1 C122.1 C127.1 C129.1 C130.1 C131.2 C132.2 C133.2 C170.1 C171.1 C204.1 C205.2 C207.1 C208.1 C210.2 C216.2 C219.1 C220.2 C221.1 C222.2 C223.1 C224.2 C225.2 C226.2 C227.2 C228.2 C229.1 C230.1 C231.2 C232.1 C233.1 C241.2 C301.2 C302.2 C303.2 C304.2 C307.1 C313.1 C314.1 C315.1 C322.1 C323.1 C324.1 C325.1 C326.1 C327.1 C328.2 C329.2 C330.2 C331.2 C334.1 C335.1 C336.1 C337.1 C338.1 C339.2 C340.2 C341.1 C342.1 C346.1 C347.1 C348.1 C360.1 C361.1 C362.1 C374.1 C375.1 C376.1 C388.1 C389.1 C390.1 D2.2 D7.1 D7.2 D51.2 D300.1 D301.1 J1.1 J1.2 J1.3 J1.4 J2.1 J2.2 J2.3 J2.4 J3.1 J3.10 J4.2 J5.1 J5.2 J5.3 J5.4 J7.1 J9.1 J9.2 J9.3 J9.4 K50.8 L3.1 L32.1 L33.1 L34.1 L134.1 L135.1 L136.1 L152.1 L153.1 L155.1 L301.1 L302.1 L303.1 L304.1 L305.1 L306.1 L309.1 L310.1 L311.1 L314.1 L315.1 L316.1 L319.1 L320.1 L321.1 L324.1 L325.1 L326.1 L329.1 L330.1 L331.1 P200.1 P300.1 pad.4 pad.7 pad.8 Q4.2 Q9.S Q12.2 Q200.2 Q201.2 R14.1 R24.1 R25.1 R36.1 R37.1 R46.1 R54.2 R55.1 R56.2 R58.2 R64.1 R66.3 R68.2 R73.1 R75.2 R209.1 R212.2 R213.1 R214.1 R221.2 R222.1 R223.1 R306.1 R307.2 R313.1 R314.1 T201.2 T201.4 T201.8 T201.11 T300.5 TSWR.7 U1.16 U2.16 U3.16 U6.1 U7.16 U9.3 U9.4 U9.7 U9.8 U9.10 U9.11 U9.12 U9.13 U9.18 U9.21 U11.16 U13.3 U13.6 U13.7 U14.3 U14.6 U14.7 U21.16 U24.3 U24.5 U24.6 U24.8 U24.9 U24.11 U24.12 U24.13 U24.15 U24.16 U24.18 U25.3 U25.5 U25.6 U25.8 U25.9 U25.11 U25.12 U25.13 U25.15 U25.16 U25.18 U26.3 U26.5 U26.6 U26.8 U26.9 U26.11 U26.12 U26.13 U26.15 U26.16 U26.18 U27.3 U27.5 U27.6 U27.8 U27.9 U27.11 U27.12 U27.13 U27.15 U27.16 U27.18 U301.1 | length 433.1
  Top Layer w0.2: v4(267.462,-18.796) 267.548,-18.71 Q4.2@268.995,-18.71 ; U9.13@268.256,-27.178 U9.21@270.256,-27.178 ; U9.8@270.256,-25.178 U9.21@270.256,-27.178 ; U9.7@270.756,-25.178 U9.21@270.756,-26.678 ; v1@272.808,-26.678 U9.4@272.256,-26.678 U9.21@270.756,-26.678 ; v1(272.962,-26.832) 272.615,-27.178 U9.3@272.256,-27.178 270.637,-27.178 270.756,-27.059 U9.21@270.756,-26.678 ; U9.21@270.256,-27.178 U9.21@270.756,-26.678
  Top Layer w0.25: U9.12@268.256,-26.678 U9.21@269.756,-26.678 ; U9.11@268.256,-26.178 269.256,-26.178 U9.21@269.756,-26.678 ; U9.18@270.256,-29.178 U9.21@270.256,-27.178 U9.21@269.756,-26.678
  Top Layer w0.3: 240.99,-60.003 241.286,-60.299 ; U13.3@252.405,-41.896 252.405,-40.975 252.74,-40.64 v4(252.984,-40.64)
  Top Layer w0.35: U27.16@234.743,-97.861 233.878,-97.861 233.426,-97.409 233.624,-97.211 U27.15@234.743,-97.211 ; U27.13@234.743,-95.911 233.706,-95.911 v6@233.426,-95.631 ; U27.12@234.743,-95.261 233.796,-95.261 v6@233.426,-95.631 ; U27.11@234.743,-94.611 233.761,-94.611 233.426,-94.946 v6@233.426,-95.631 ; v3(238.76,-96.901) 239.385,-97.526 239.385,-98.822 239.724,-99.161 U27.3@240.745,-99.161 ; U27.5@240.745,-97.861 241.783,-97.861 v6(242.275,-97.369) 242.118,-97.212 U27.6@240.745,-97.212 ; U27.8@240.745,-95.911 241.528,-95.911 242.178,-95.261 U27.9@240.745,-95.261 ; 240.99,-60.003 v12(240.99,-58.999) ; 240.99,-56.983 v12(240.99,-58.999) ; 241.286,-60.299 U25.3@242.269,-60.299 ; U25.5@242.269,-58.999 v12(240.99,-58.999) ; U25.8@242.269,-57.049 241.01,-57.049 241.66,-56.399 U25.9@242.269,-56.399 ; U13.6@252.405,-46.496 252.405,-45.66 252.47,-45.595 v1(252.665,-45.595) 252.86,-45.595 253.055,-45.79 U13.7@253.055,-46.496 ; U14.6@266.629,-45.226 266.629,-46.284 266.827,-46.482 v3@266.98,-46.482 ; U14.3@266.629,-40.626 266.629,-41.839 266.827,-42.037 v1(266.954,-42.037) ; v3(266.98,-46.583) 267.279,-46.284 U14.7@267.279,-45.226 ; U26.18@272.086,-108.051 273.431,-108.051 274.828,-106.654 ; U24.18@272.848,-55.473 274.548,-55.473 v6(274.828,-55.753) ; v6(276.86,-55.245) 277.088,-55.473 U24.3@278.845,-55.473
  Top Layer w0.4: C129.1@255.573,-8.509 256.413,-8.509 v8(256.54,-8.382) ; v4(277.114,-53.086) 277.114,-53.34 277.298,-53.524 ; v1@277.622,-51.562 v1@277.84,-51.562 ; v1@277.876,-51.526 v1@277.84,-51.562 ; U24.5@278.845,-54.173 277.947,-54.173 277.298,-53.524 ; U24.6@278.845,-53.524 277.298,-53.524 ; U24.8@278.845,-52.223 U24.9@278.845,-51.573 277.851,-51.573 v1@277.84,-51.562
  Top Layer w0.5: v3(5.969,-108.585) C216.2@5.969,-107.064 ; R212.2@9.276,-67.945 9.276,-66.36 v6(9.85,-65.786) C227.2@11.112,-64.523 ; v6(20.447,-41.402) 20.45,-41.405 R214.1@20.45,-42.799 v6(21.974,-41.275) C228.2@23.234,-41.275 ; R221.2@20.701,-34.102 v6(20.701,-33.12) C225.2@20.701,-32.138 ; C226.2@26.035,-64.523 26.55,-64.523 v6(27.559,-65.532) 27.493,-65.598 R209.1@27.493,-67.945 ; v6(27.686,-42.926) C229.1@27.686,-41.771 ; C230.1@29.972,-34.683 v6(29.972,-33.599) ; C205.2@30.48,-98.803 v3(32.128,-98.803) ; C222.2@37.976,-84.503 C220.2@37.976,-81.752 39.37,-83.146 v3(39.37,-83.185) ; R314.1@40.005,-91.948 40.012,-91.941 C339.2@40.012,-88.418 v3(41.275,-88.418) ; C337.1@56.896,-80.238 58.76,-80.238 C338.1@58.801,-80.279 v3(60.086,-80.279) ; v3(80.391,-83.185) 81.233,-84.027 P300.1@81.233,-85.598 ; C342.1@91.567,-81.485 v3(91.567,-80.01) ; C341.1@93.726,-83.07 v3(93.726,-81.485) ; v3(226.941,-58.293) 227.98,-59.332 C48.1@228.092,-59.332 228.867,-59.332 229.489,-59.954 229.489,-62.266 v6(232.537,-65.314)
  Top Layer w1: J9.1@42.408,-11.44 J9.2@42.408,-6.34 J9.3@47.508,-6.34 ; J9.4@47.508,-11.44 J9.3@47.508,-6.34 ; v2(57.15,-1.524) 54.356,-4.318 pad.7@54.356,-5.842 ; 61.515,-64.132 P200.1@61.515,-67.818 66.342,-67.818 ; v2(62.738,-6.35) 62.23,-5.842 pad.7@54.356,-5.842 ; v1(78.068,-83.022) 78.657,-83.022 P300.1@81.233,-85.598 ; v1(78.818,-87.522) 79.309,-87.522 P300.1@81.233,-85.598 ; v1@83.947,-82.884 P300.1@81.233,-85.598 ; v1(84.068,-41.022) 84.328,-40.762 J7.1@84.328,-37.846 ; v2(108.712,-6.096) 115.062,-6.096 pad.8@115.062,-5.842 115.062,-2.212 ; pad.8@115.663,-5.241 115.882,-5.022 v1(121.568,-5.022) ; C96.2@133.156,-39.624 C84.2@135.567,-39.624 137.922,-37.269 148.707,-37.269 C85.2@151.061,-39.624 ; C98.2@164.398,-39.878 C86.2@166.809,-39.878 168.673,-38.014 173.374,-38.014 175.237,-39.878 C99.2@180.146,-39.878 C87.2@182.557,-39.878 184.589,-37.846 189.321,-37.846 191.353,-39.878 C100.2@195.894,-39.878 C88.2@198.305,-39.878 ; J1.4@169.936,-9.154 J1.1@164.836,-9.154 J1.2@164.836,-4.054 J1.3@169.936,-4.054 ; v1(187.855,-3.175) 188.734,-4.054 J5.2@193.284,-4.054 J5.3@198.384,-4.054 ; J5.1@193.284,-9.154 J5.4@198.384,-9.154 ; v1(201.041,-9.271) 200.924,-9.154 J5.4@198.384,-9.154 ; v2(205.74,-3.048) 204.734,-4.054 J5.3@198.384,-4.054 ; J4.2@230.632,-36.322 233.557,-36.322 ; v1@231.648,-15.406 J3.10@231.648,-17.78 236.406,-17.78 ; 270.614,-45.79 270.852,-46.028 272.996,-46.028 J2.1@273.04,-45.984 J2.4@278.14,-45.984 ; J2.2@273.04,-40.884 J2.3@278.14,-40.884 ; 279.437,-41.104 279.217,-40.884 J2.3@278.14,-40.884 ; 279.638,-45.984 J2.4@278.14,-45.984 ; J9.3@47.508,-6.34 53.858,-6.34 pad.7@54.356,-5.842 ; J5.4@198.384,-9.154 J5.3@198.384,-4.054 ; J2.4@278.14,-45.984 J2.3@278.14,-40.884
  Bottom Layer w0.2: v3(171.71,-18.816) 172.198,-19.304 C171.1@173.214,-19.304
  Bottom Layer w0.35: U3.16@194.553,-29.138 194.553,-28.586 194.945,-28.194 v6(194.945,-28.321) ; C170.1@203.454,-16.242 204.484,-16.242 204.724,-16.002 v6(204.652,-16.002) ; v4(212.09,-22.606) 212.173,-22.606 212.808,-23.241 U11.16@212.863,-23.186 ; v6(235.077,-116.078) 235.105,-116.078 235.472,-116.445 C1.2@235.472,-117.348
  Bottom Layer w0.4: C121.1@256.526,-8.382 v8(256.54,-8.382)
  Bottom Layer w0.5: C232.1@12.053,-49.443 R223.1@13.676,-49.443 ; C233.1@26.912,-49.443 R222.1@28.535,-49.443
  Bottom Layer w1: J9.1@42.408,-11.44 J9.2@42.408,-6.34 J9.3@47.508,-6.34 J9.4@47.508,-11.44 ; 59.114,-67.818 P200.1@61.515,-67.818 ; v1(60.068,-71.022) 61.515,-69.575 P200.1@61.515,-67.818 ; v1(66.068,-68.022) 65.864,-67.818 P200.1@61.515,-67.818 ; v1(81.068,-35.022) 81.504,-35.022 J7.1@84.328,-37.846 ; P300.1@81.233,-85.598 83.157,-87.522 v1(83.318,-87.522) ; v1(86.318,-39.522) 86.004,-39.522 J7.1@84.328,-37.846 ; 86.487,-36.088 84.729,-37.846 J7.1@84.328,-37.846 ; J1.1@164.836,-9.154 J1.4@169.936,-9.154 J1.3@169.936,-4.054 J1.2@164.836,-4.054 ; J5.1@193.284,-9.154 J5.2@193.284,-4.054 J5.3@198.384,-4.054 J5.4@198.384,-9.154 ; 230.632,-38.051 J4.2@230.632,-36.322 232.193,-36.322 ; 231.648,-14.914 J3.10@231.648,-17.78 235.786,-17.78 ; J2.1@273.04,-45.984 J2.2@273.04,-40.884 J2.3@278.14,-40.884 J2.4@278.14,-45.984